# Altium PCB PCB_MAIN.PcbDoc (part 1 of 2)
Units mil, origin at the board's own origin, x right, y up, seen from the top; angles counter-clockwise.
Board outline 2354.33 x 2689.22 mil, 2 copper layers (Top Layer, Bottom Layer), stack 63.858 mil thick; 107 components, 70 nets, 334 pads, 370 vias.
Unrouted connection lines stored in the file: 1.
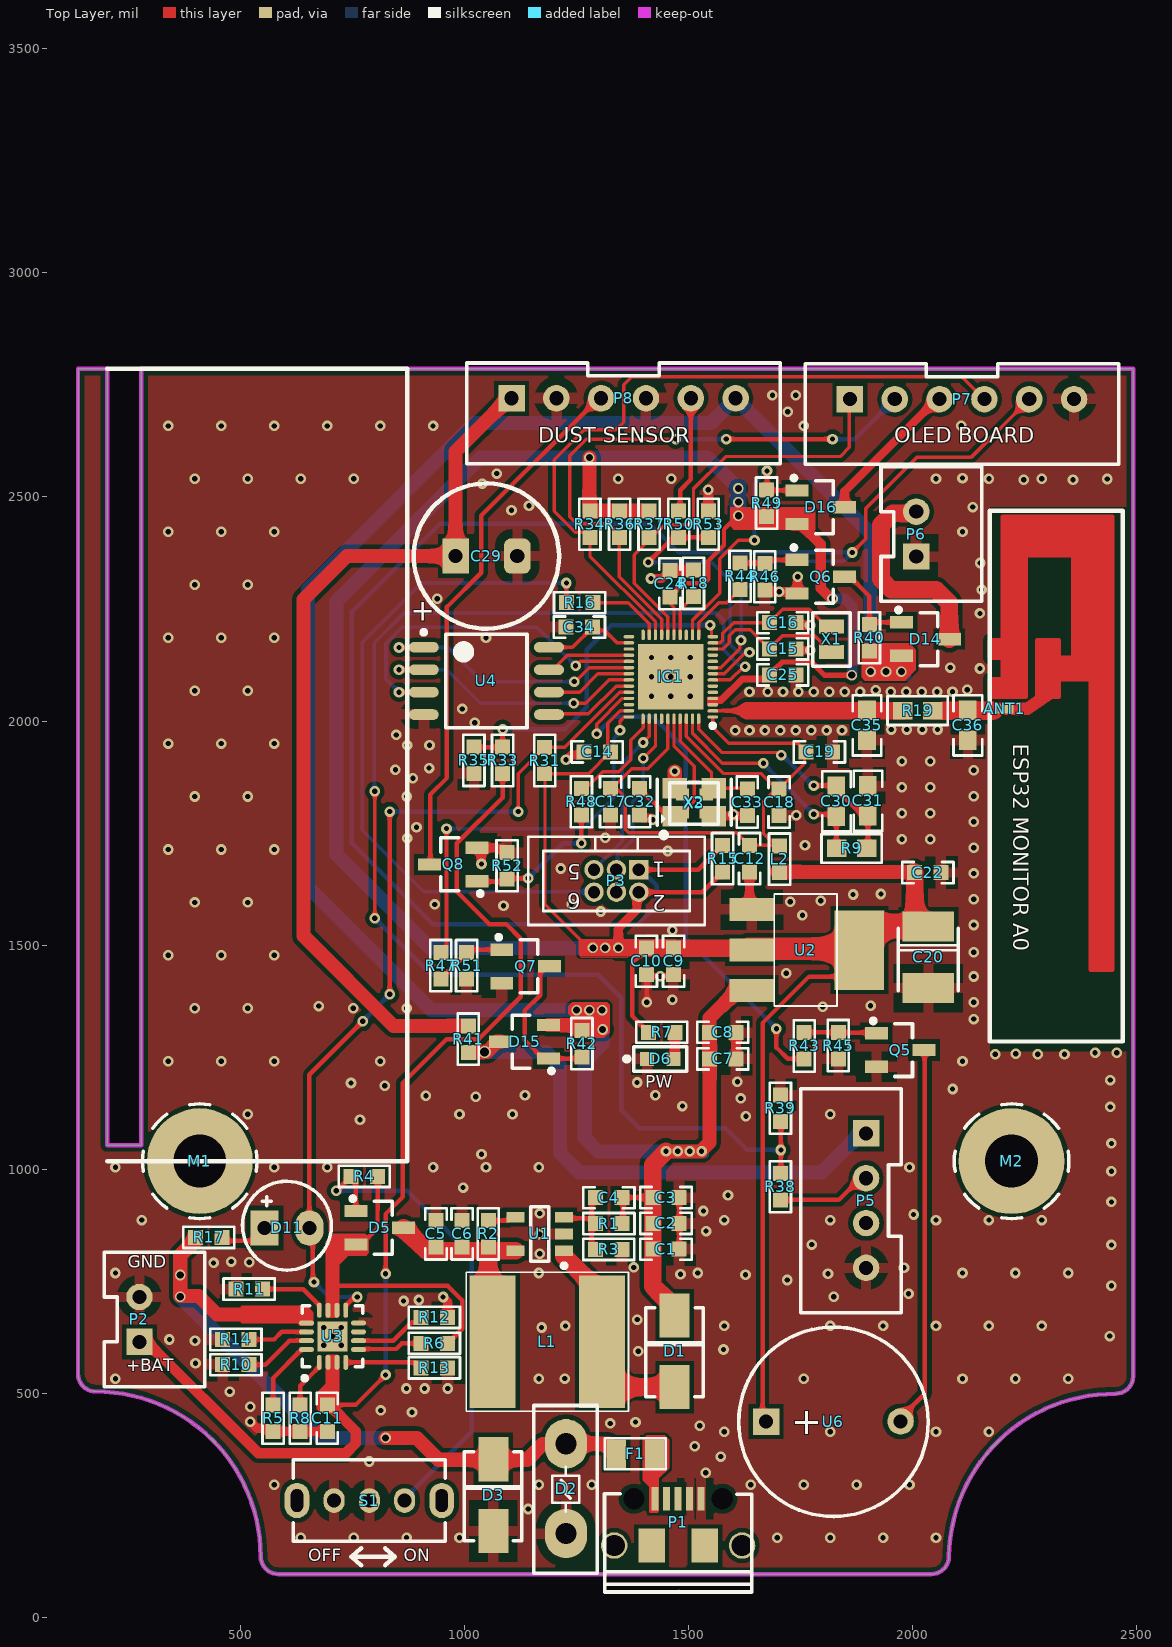
[diagram p0: Top Layer view]
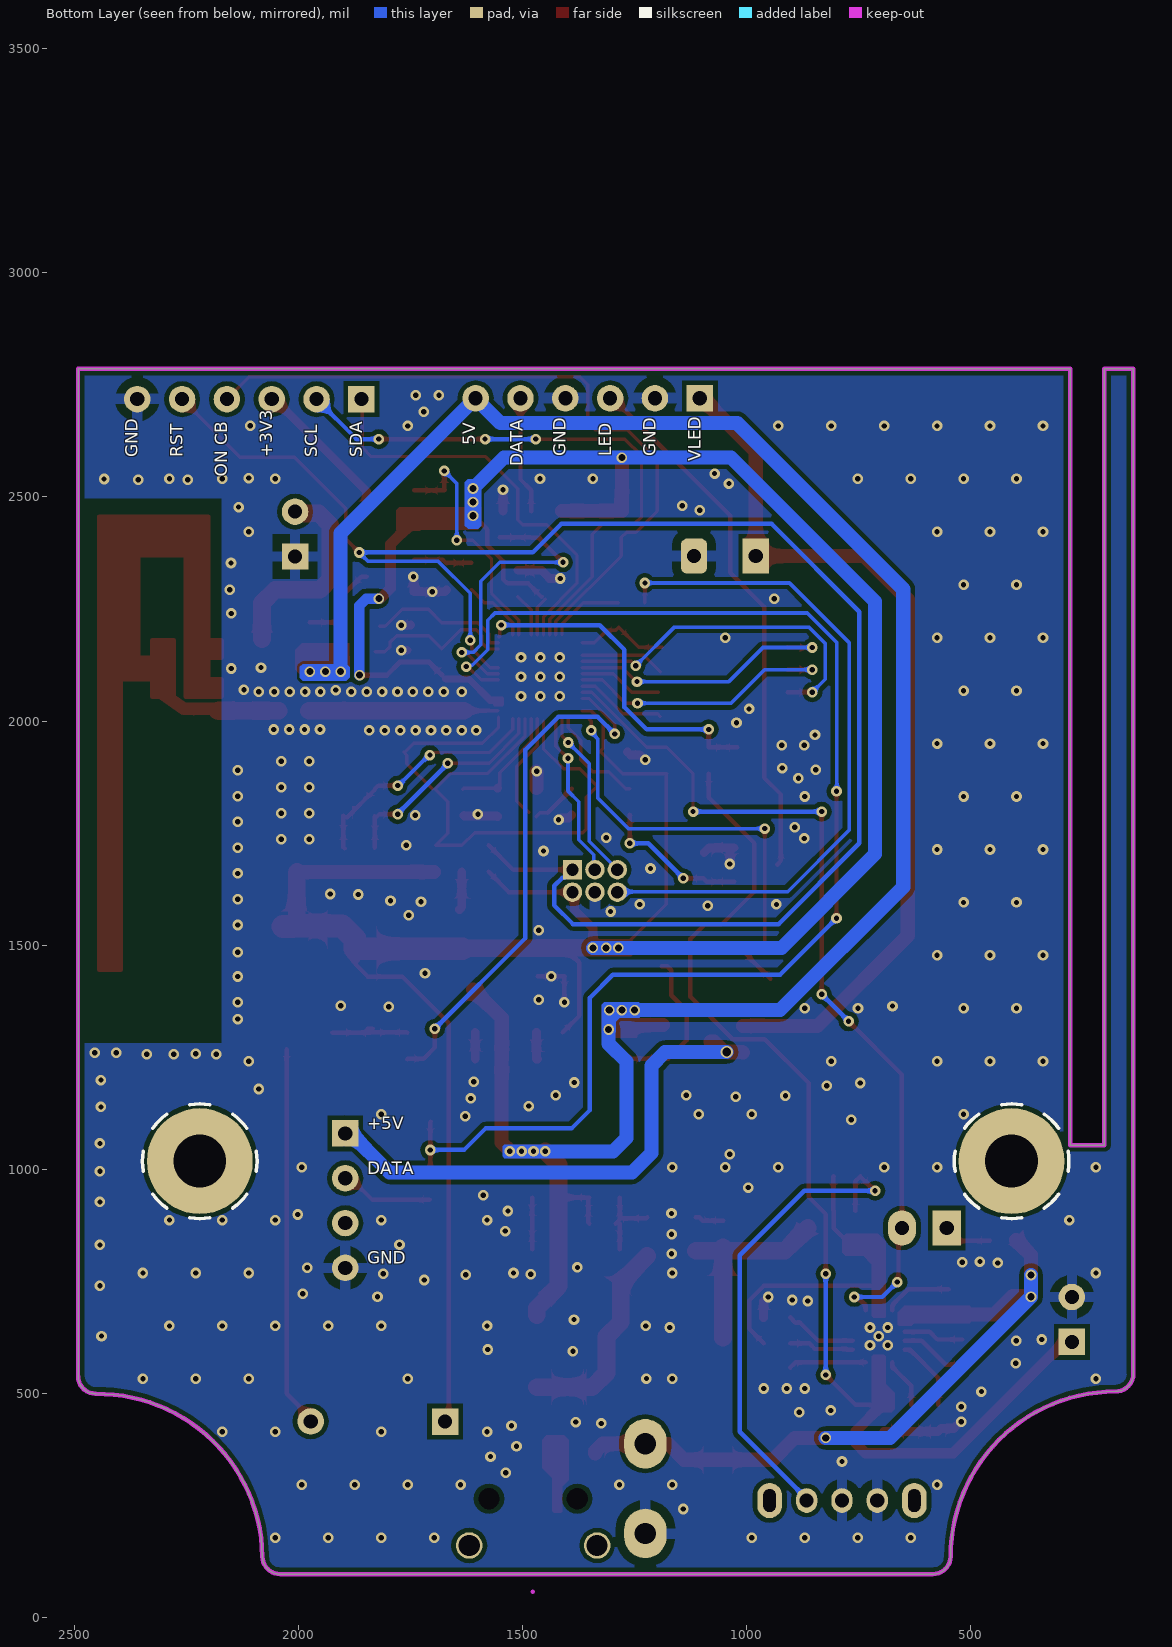
[diagram p1: Bottom Layer view, seen from below]
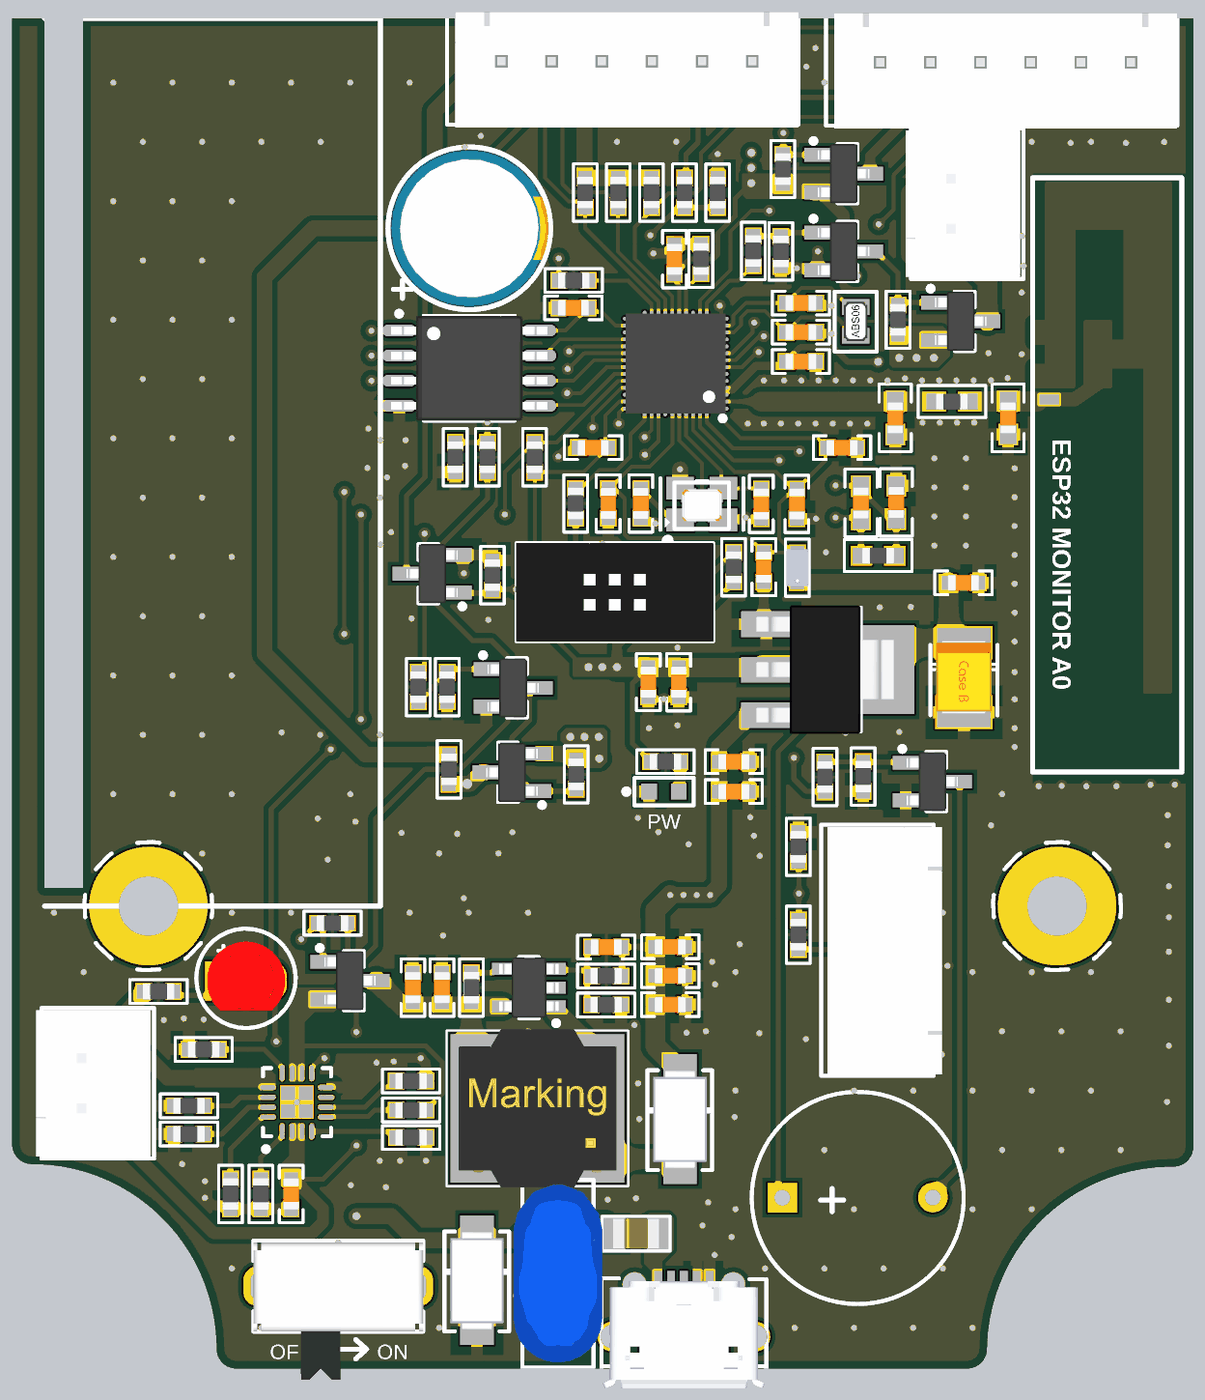
[diagram p3: 3D render of the assembled board from above, using the file's embedded part models]

## Layer stack, top to bottom
Top Solder: solder mask 0.3937, Solder Resist, Dk 3.5
Top Layer: signal copper 1.4173
Dielectric 1: dielectric 61.0236, FR-4, Dk 4.8
Bottom Layer: signal copper 1.4173
Bottom Solder: solder mask 0.3937, Solder Resist, Dk 3.5

## Board outline
137.83,543.57 137.83,2786.09 202.62,2786.09 202.62,1054 279,1054 279,2786.09 2492.17,2786.09 2492.17,538 2492,538 cw(c2452.63,538.49) 2453.12,499.12 2453.12,498.83 ccw(c2448.64,131.07) 2080.88,136.25 2080.87,136.25 cw(c2041.5,136.25) 2041.5,96.88 584.8,96.88 cw(c584.8,136.25) 545.43,136.25 545.31,136.09 ccw(c177.2,136.09) 177.2,504.2 cw(c177.2,543.57)

## Design rules (kind name [scope] priority, off if disabled: settings)
Clearance Clearance_1 [HasFootprint('DC3_6P_1.27')] p1: gap=6.69 ignorepadtopadclearanceinfootprint=FALSE except(10: Arc-Poly Track-Poly SMDPad-Poly THPad-Poly Via-Poly Fill-Poly Poly-Poly)
Clearance [All] p2: gap=6 ignorepadtopadclearanceinfootprint=FALSE except(10: Arc-Poly Track-Poly SMDPad-Poly THPad-Poly Via-Poly Fill-Poly Poly-Poly)
DiffPairsRouting [All] p1: maxlimit=10 minlimit=10 mostfreqgap=10 substack1={7F045F64-9E9C-47D7-B855-0F4E49A81AEE} toplayer_{7f045f64-9e9c-47d7-b855-0f4e49a81aee}_minwidth=15 toplayer_{7f045f64-9e9c-47d7-b855-0f4e49a81aee}_maxwidth=15 toplayer_{7f045f64-9e9c-47d7-b855-0f4e49a81aee}_prefwidth=15 bottomlayer_{7f045f64-9e9c-47d7-b855-0f4e49a81aee}_minwidth=15 bottomlayer_{7f045f64-9e9c-47d7-b855-0f4e49a81aee}_maxwidth=15 bottomlayer_{7f045f64-9e9c-47d7-b855-0f4e49a81aee}_prefwidth=15 toplayer_minwidth=15 toplayer_maxwidth=15 toplayer_prefwidth=15 bottomlayer_minwidth=15 bottomlayer_maxwidth=15 bottomlayer_prefwidth=15 maxuncoupledlength=500
HoleSize [All] p1: absolutevalues=TRUE maxlimit=196.85 minlimit=1 maxpercent=80.000 minpercent=20.000
HoleToHoleClearance [All] p1: gap=0 allowstackedmicrovias=TRUE
MinimumSolderMaskSliver [All] p1: minsoldermaskwidth=0
PolygonConnect "big hole" [(PadXSize_AllLayers>0.9)or  (PadySize_AllLayers<0.9)] p1: thpad.connectstyle=Relief thpad.reliefconductorwidth=23.62 thpad.reliefentries=4 thpad.polygonreliefangle="90 Angle" thpad.airgapwidth=19.68 smdpad.connectstyle=Relief smdpad.reliefconductorwidth=23.62 smdpad.reliefentries=4 smdpad.polygonreliefangle="90 Angle" smdpad.airgapwidth=19.68 via.connectstyle=Direct via.reliefconductorwidth=10 via.reliefentries=4 via.polygonreliefangle="90 Angle" via.airgapwidth=10
PolygonConnect [All] p2: thpad.connectstyle=Relief thpad.reliefconductorwidth=19.68 thpad.reliefentries=4 thpad.polygonreliefangle="90 Angle" thpad.airgapwidth=15.75 smdpad.connectstyle=Relief smdpad.reliefconductorwidth=19.68 smdpad.reliefentries=4 smdpad.polygonreliefangle="90 Angle" smdpad.airgapwidth=15.75 via.connectstyle=Direct via.reliefconductorwidth=10 via.reliefentries=4 via.polygonreliefangle="90 Angle" via.airgapwidth=10
RoutingVias [All] p1: holewidth=11.81 width=23.62 viastyle="Through Hole" minholewidth=11.81 minwidth=23.62 maxholewidth=11.81 maxwidth=23.62
SilkToSilkClearance [All] p1: silktosilkclearance=0
SilkToSolderMaskClearance [IsPad] p1: minsilkscreentomaskgap=0 clearancetoexposedcopper=TRUE
SolderMaskExpansion [All] p1: expansion=4
Width [All] p1: maxlimit=196.85 minlimit=3.94 preferedwidth=10
24 further rules are at their usual default settings.

## Classes and differential pairs
component class U_04: 3 ANT1 C12 C14 C15 C16 C17 C18 C19 C20 C22 C24 C25 C29 C30 C31 C32 C33 C34 C35 C36 D14 D15 D16 IC1 L2 P3 P5 P6 P7 P8 Q5 Q6 Q7 Q8 R9 R15 R16 R18 R19 R31 R33 R34 R35 R36 R37 R38 R39 R40 R41 R42 R43 R44 R45 R46 R47 R48 R49 R50 R51 R52 R53 U4 U6 X1 X2 X3
component class U_03: C1 C2 C3 C4 C5 C6 C7 C8 C9 C10 C11 D1 D2 D3 D5 D6 D11 F1 L1 M1 M2 P1 P2 R1 R2 R3 R4 R5 R6 R7 R8 R10 R11 R12 R13 R14 R17 S1 U1 U2 U3

## Components (designator, comment, footprint, x,y, rotation, side; value= is the part's Value field where it differs from the comment)
ANT1 "Value" SWRU120D 2170.98,2466.61 r270 top locked
C1 "47uF/6.3V" "CAPC-0603 (1608) - HD" 1449.6,821.62 r180 top
C2 "47uF/6.3V" "CAPC-0603 (1608) - HD" 1449.6,879.25 r180 top
C3 "106/10V" "CAPC-0603 (1608) - HD" 1449.6,936.88 r180 top
C4 "102/50V" "CAPC-0603 (1608) - HD" 1322.04,936.51 r0 top
C5 "106/10V" "CAPC-0603 (1608) - HD" 936.5,855.66 r270 top
C6 "106/10V" "CAPC-0603 (1608) - HD" 994.82,855.66 r270 top
C7 "106/10V" "CAPC-0603 (1608) - HD" 1576.32,1246.12 r180 top
C8 "104/50V" "CAPC-0603 (1608) - HD" 1576.32,1305.48 r180 top
C9 "106/10V" "CAPC-0603 (1608) - HD" 1466.53,1463.97 r90 top
C10 "104/50V" "CAPC-0603 (1608) - HD" 1405.9,1464 r90 top
C11 "106/10V" "CAPC-0603 (1608) - HD" 693.96,444.6 r90 top
C12 "47uF/6.3" "CAPC-0603 (1608) - HD" 1636,1693.03 r90 top value=47uF/6.3V
C14 "104/50V" "CAPC-0603 (1608) - HD" 1296,1931 r0 top
C15 "10p/50V" "CAPC-0603 (1608) - HD" 1710.04,2161.01 r180 top
C16 "10p/50V" "CAPC-0603 (1608) - HD" 1710.04,2219.28 r180 top
C17 "104/50V" "CAPC-0603 (1608) - HD" 1326,1820 r90 top
C18 "104/50V" "CAPC-0603 (1608) - HD" 1702,1819.04 r90 top
C19 "104/50V" "CAPC-0603 (1608) - HD" 1792,1931 r180 top
C20 "T520B227" CAP_TANTAL_1210(3528) 2035,1473 r270 top value=227/6.3V
C22 "104/50V" "CAPC-0603 (1608) - HD" 2034,1662 r180 top
C24 "104/50V" "CAPC-0603 (1608) - HD" 1458,2306.39 r270 top
C25 "104/50V" "CAPC-0603 (1608) - HD" 1710.04,2102.73 r180 top
C29 "220uF/35V" CAP_ALUM_D8_13mm 1049,2368 r0 top
C30 "3.3nF/50V" "CAPC-0603 (1608)" 1829.73,1821 r270 top
C31 "103/16V" "CAPC-0603 (1608)" 1900,1821.97 r90 top
C32 "20p/50V" "CAPC-0603 (1608) - HD" 1390.85,1820 r90 top
C33 "20p/50V" "CAPC-0603 (1608) - HD" 1631,1819 r90 top
C34 "104/50V" "CAPC-0603 (1608) - HD" 1256.47,2209.52 r0 top
C35 "NF" "CAPC-0603 (1608)" 1898,1990.54 r90 top
C36 "NF" "CAPC-0603 (1608)" 2123,1990.54 r90 top
D1 "SS34-HF" DIODE_DO214AC_SMA 1469,594 r90 top
D2 "MOV-10D390K" MOV-07D101KTR 1225.82,285.93 r90 top
D3 "SMAJ5.0A-E3/61" DIODE_DO214AC_SMA 1064.32,272.93 r90 top
D5 "AO3415" SOT23_3 811,869.45 r0 top value=20V/4A
D6 "RED" "LED 0603" 1437,1246.12 r180 top
D11 "LED BLUE" "LED_3MM-RED - duplicate" 554,869 r0 top
D14 "AO3415" SOT23_3 2028.5,2182.8 r0 top value=20V/4A
D15 "AO3415" SOT23_3 1134,1284.37 r180 top value=20V/4A
D16 "AO3415" SOT23_3 1795,2477 r0 top value=20V/4A
F1 "6V/0.5A" "FUSE 0ZCK_BEL" 1381.32,365.54 r0 top
IC1 "ESP32-D0WD-V3" ESP32-D0WD 1460.5,2098.57 r180 top
L1 "10uH/3.3A" IND-74404084150 1185,615 r0 top
L2 "23R/4A" "IND-0603 (1608) - HD" 1703,1692 r90 top
M1 "HOLE" HOLE_3MM_6MM 409.49,1017.98 r0 top
M2 "HOLE" HOLE_3MM_6MM 2220.51,1017.98 r0 top locked
P1 "Micro USB" "MK5P MICROUSB" 1476.73,160.59 r0 top
P2 "XH2.54mm" XH2.54-2P 275,690 r90 top
P3 "DC3/6P" DC3_6P_1.27 1339,1643.25 r180 top
P5 "XH2.54mm" XH2.54-4P 1899,975.53 r270 top
P6 "XH2.54mm" XH2.54-2P 2008,2442 r90 top
P7 "XH2.54mm" XH2.54-6p 2060,2718 r0 top
P8 "XH2.54mm" XH2.54-6p 1305,2720 r0 top
Q5 "2SC1815" SOT23_3 1972,1266 r0 top
Q6 "2SC1815" SOT23_3 1795,2322 r0 top
Q7 "2SC1815" SOT23_3 1136.38,1452.62 r0 top
Q8 "2SC1815" SOT23_3 975.12,1680 r180 top
R1 "100K" "RESC-0603 (1608) - HD" 1322.07,878.88 r0 top
R2 "1M" "RESC-0603 (1608) - HD" 1053.13,855.62 r270 top
R3 "33K" "RESC-0603 (1608) - HD" 1322,821.25 r180 top
R4 "100K" "RESC-0603 (1608) - HD" 776.5,984 r0 top
R5 "1K" "RESC-0603 (1608) - HD" 573.09,444.57 r270 top
R6 "10K" "RESC-0603 (1608) - HD" 933,611.61 r180 top
R7 "1K" "RESC-0603 (1608) - HD" 1440.04,1305.48 r0 top
R8 "10K" "RESC-0603 (1608) - HD" 633.53,444.57 r270 top
R9 "20K" "RESC-0603 (1608)" 1864,1716 r180 top
R10 "10K" "RESC-0603 (1608) - HD" 490.11,564 r180 top
R11 "1K2" "RESC-0603 (1608) - HD" 519.67,732.6 r0 top
R12 "100K" "RESC-0603 (1608) - HD" 933,669.5 r180 top
R13 "10K" "RESC-0603 (1608) - HD" 933.06,556.94 r180 top
R14 "47K" "RESC-0603 (1608) - HD" 490.17,620.2 r0 top
R15 "10K" "RESC-0603 (1608) - HD" 1576,1693 r270 top
R16 "0R" "RESC-0603 (1608) - HD" 1257,2264 r0 top
R17 "2K2" "RESC-0603 (1608) - HD" 429.59,848 r180 top
R18 "10K" "RESC-0603 (1608) - HD" 1510.73,2307 r90 top
R19 "NF" "RESC-0603 (1608)" 2011,2023 r0 top
R31 "100K" "RESC-0603 (1608) - HD" 1179,1911.93 r90 top
R33 "100K" "RESC-0603 (1608) - HD" 1085.22,1911.94 r270 top
R34 "10K" "RESC-0603 (1608) - HD" 1280,2439.06 r90 top
R35 "100K" "RESC-0603 (1608) - HD" 1021,1912 r90 top
R36 "10K" "RESC-0603 (1608) - HD" 1346,2439.06 r90 top
R37 "10K" "RESC-0603 (1608) - HD" 1412,2439.06 r90 top
R38 "2k" "RESC-0603 (1608) - HD" 1705,961 r270 top value=10K
R39 "3K" "RESC-0603 (1608) - HD" 1705,1136 r270 top value=10K
R40 "100K" "RESC-0603 (1608) - HD" 1903.5,2185.8 r270 top
R41 "150R" "RESC-0603 (1608) - HD" 1008.58,1290.25 r270 top
R42 "100K" "RESC-0603 (1608) - HD" 1262,1280.37 r90 top
R43 "1K" "RESC-0603 (1608) - HD" 1758,1275 r270 top
R44 "1K" "RESC-0603 (1608) - HD" 1615,2323 r270 top
R45 "10K" "RESC-0603 (1608) - HD" 1834.07,1276 r90 top
R46 "10K" "RESC-0603 (1608) - HD" 1670.01,2322 r90 top
R47 "1K" "RESC-0603 (1608) - HD" 947.23,1454.22 r90 top
R48 "1K" "RESC-0603 (1608) - HD" 1261,1820.03 r90 top
R49 "100K" "RESC-0603 (1608) - HD" 1674,2486 r270 top
R50 "10K" "RESC-0603 (1608) - HD" 1478,2439.06 r90 top
R51 "10K" "RESC-0603 (1608) - HD" 1004.81,1454.22 r90 top
R52 "10K" "RESC-0603 (1608) - HD" 1095.12,1677 r270 top
R53 "10K" "RESC-0603 (1608) - HD" 1544,2439 r270 top
S1 "SK-12D07" SK-12D07 787.79,260.96 r180 top
U1 "LMR62421" SC-74A 1168,855.62 r180 top
U2 "TLV1117LV33DCYR" SOT-223-4 1761,1489 r270 top
U3 "BQ24073RGTT" RGT16-1700X1700TP 705.62,627.36 r90 top
U4 "GD25Q64ESIG" GD25QXXE 1049,2089.45 r0 top
U6 "BUZZ" BUZZER_through_hole 1673,437 r0 top
X1 "32.768KHz" "CRYSTAL_ABS06 2x1.2mm" 1819,2182.53 r90 top
X2 "40MHz" OSC-40M-3225 1513.58,1817.8 r0 top
X3 "40MHz" "CRYSTAL-XRCGB27M120F3M10R0 (2x1.6)" 1512.84,1816.53 r0 top

## Footprints (in the part's own frame and the unit in brackets; to place one, negate y for a bottom-side part, rotate by r counter-clockwise, add the part's x,y. Pads: shape width x height; smd on the part's side, far side on the other; paste and mask are expansions set on the pad)
BUZZER_through_hole [mm]
  rect 1.5x1.5 hole 0.8: 1(0,0)
  round 1.5 hole 0.8: 2(7.62,0.013)
  silkscreen extent -1.55,-5.38 9.18,5.36, body extent -2.22,-6 9.78,6, height 4.5
CAP_ALUM_D8_13mm [mm]
  rect 1.5x2 hole 0.8: 1(-1.75,0)
  rrect50% 1.5x2 hole 0.8: 2(1.75,0)
  silkscreen extent -4.11,-4.11 4.11,4.11, body extent -4,-4 4.01,4, height 13.01
CAP_TANTAL_1210(3528) [mm] "Capacitor, Chip; 3.50 mm L X 2.80 mm W X 1.40 mm H body"
  rect 1.71x2.91 smd paste-0.1: 1(-1.75,0) 2(1.75,0)
  silkscreen extent -1.65,-1.7 1.91,1.7, body extent -1.87,-1.42 1.82,1.4, height 2.09
"CAPC-0603 (1608)" [mm] "Resistor, Chip; 1.60 mm L X 0.80 mm W X 0.50 mm H body"
  rect 1.1x1 smd paste-0.075 mask+0.1: 1(-0.85,0) 2(0.85,0)
  silkscreen extent -1.71,-0.81 1.71,0.81, body extent -0.8,-0.4 0.8,0.4, height 0.6
"CAPC-0603 (1608) - HD" [mm] "Resistor, Chip; 1.60 mm L X 0.80 mm W X 0.50 mm H body"
  rect 0.85x0.85 smd paste-0.075 mask+0.1: 1(-0.75,0) 2(0.75,0)
  silkscreen extent -1.45,-0.6 1.45,0.6, body extent -0.8,-0.4 0.8,0.4, height 0.6
"CRYSTAL-XRCGB27M120F3M10R0 (2x1.6)" [mm] "Crystal 2x1.6mm"
  rect 0.75x0.7 smd: 1(-0.675,-0.5) 2(0.675,-0.5) 3(0.675,0.5) 4(-0.675,0.5)
  silkscreen extent -1.88,-1.19 1.36,1.15, body extent -1,-0.8 1,0.8, height 0.65
"CRYSTAL_ABS06 2x1.2mm" [mm] "Crystal 2x1.2mm"
  rect 0.8x1.4 smd: 1(-0.725,0) 2(0.725,0)
  silkscreen extent -1.52,-1.07 1.5,1.07, body extent -1,-0.61 1,0.61, height 0.6
DC3_6P_1.27 [mm]
  rect 1.1x1.1 hole 0.7: 1(-1.27,-0.635)
  round 1.1 hole 0.7: 2(-1.27,0.635) 3(0,-0.635) 4(0,0.635) 5(1.27,-0.635) 6(1.27,0.635)
  silkscreen extent -5,-2.5 5,2.5, body extent -5,-2.5 5,2.5, height 4.9
DIODE_DO214AC_SMA [mm] "Diode 2214AC- SMA type"
  rect 2.5x1.7 smd: 1(-2.032,0) 2(2.032,0)
  silkscreen extent -2.59,-1.63 2.46,1.7, body extent -2.53,-1.35 2.47,1.35, height 2.25
ESP32-D0WD [mm] "PQFN, 48-Leads, Body 5.00x5.00mm, Pitch 0.35mm, Thermal Pad 3.70x3.70mm, IPC Medium Density"
  oval 0.6x0.191 smd: 1(-2.375,2.275) 2(-2.375,1.925) 3(-2.375,1.575) 4(-2.375,1.225) 5(-2.375,0.875) 6(-2.375,0.525) 7(-2.375,0.175) 8(-2.375,-0.175) 9(-2.375,-0.525) 10(-2.375,-0.875) 11(-2.375,-1.225) 12(-2.375,-1.575) 13(-2.375,-1.925) 14(-2.375,-2.275) 25(2.375,-2.275) 26(2.375,-1.925) 27(2.375,-1.575) 28(2.375,-1.225) 29(2.375,-0.875) 30(2.375,-0.525) 31(2.375,-0.175) 32(2.375,0.175) 33(2.375,0.525) 34(2.375,0.875) 35(2.375,1.225) 36(2.375,1.575) 37(2.375,1.925) 38(2.375,2.275)
  oval 0.191x0.6 smd: 15(-1.575,-2.375) 16(-1.225,-2.375) 17(-0.875,-2.375) 18(-0.525,-2.375) 19(-0.175,-2.375) 20(0.175,-2.375) 21(0.525,-2.375) 22(0.875,-2.375) 23(1.225,-2.375) 24(1.575,-2.375) 39(1.575,2.375) 40(1.225,2.375) 41(0.875,2.375) 42(0.525,2.375) 43(0.175,2.375) 44(-0.175,2.375) 45(-0.525,2.375) 46(-0.875,2.375) 47(-1.225,2.375) 48(-1.575,2.375)
  rect 3.7x3.7 smd paste-2: 49(0,0)
  silkscreen extent -2.5,2.65 -2.25,2.9, body extent -2.52,-2.52 2.52,2.52, height 0.9
"FUSE 0ZCK_BEL" [mm]
  rect 1.1x1.6 smd paste+0 mask+0: 1(-1.092,0) 2(1.092,0)
  silkscreen extent -1.73,-0.88 1.73,0.88, body extent -1.16,-0.75 1.16,0.75, height 1.81
GD25QXXE [mm] "SOIC, 8-Leads, Body 5.23x5.28mm, Pitch 1.27mm, IPC Medium Density"
  oval 1.7x0.6 smd: 1(-3.55,1.905) 2(-3.55,0.635) 3(-3.55,-0.635) 4(-3.55,-1.905) 5(3.55,-1.905) 6(3.55,-0.635) 7(3.55,0.635) 8(3.55,1.905)
  silkscreen extent -3.67,-2.65 2.3,2.88, body extent -3.95,-2.65 3.95,2.65, height 2.16
HOLE_3MM_6MM [mm]
  round 6 hole 3: 0(0,0)
  silkscreen extent -3.25,-3.25 3.25,3.25
"IND-0603 (1608) - HD" [mm] "Resistor, Chip; 1.60 mm L X 0.80 mm W X 0.50 mm H body"
  rect 0.85x0.85 smd paste-0.075 mask+0.1: 1(-0.75,0) 2(0.75,0)
  silkscreen extent -1.45,-0.6 1.45,0.6, body extent -0.92,-0.56 0.92,0.56, height 0.9
IND-74404084150 [mm] "Shielded Inductor 8x8mm"
  rect 2.6x7.5 smd: 1(-3.1,0) 2(3.1,0)
  silkscreen extent -4.6,-3.94 4.6,3.94, body extent -4,-4 4,4, height 4.2
"LED 0603" [mm]
  rect 0.8x0.8 smd: 1(-0.75,0) 2(0.75,0)
  silkscreen extent -1.5,-0.7 2.04,0.7, body extent -0.8,-0.4 0.8,0.4, height 0.75
"LED_3MM-RED - duplicate" [mm] "LED RED 3MM T/H"
  rect 1.6x2 hole 0.8: 1(0,0)
  oval 1.6x2 hole 0.8: 2(2.54,0)
  silkscreen extent -1.25,-2.39 3.78,2.65, body extent -0.72,-1.5 3.26,1.99, height 5.38
"MK5P MICROUSB" [mm]
  round 1.5 hole 1.2: 0(-3.625,0) 0(3.625,0)
  round 0.7 hole 1.2 mask+0.102: 0(-2.5,2.65) 0(2.5,2.65)
  rect 0.4x1.35 smd: 1(-1.3,2.65) 2(-0.65,2.65) 3(0,2.65) 4(0.65,2.65) 5(1.3,2.65)
  rect 1.5x1.9 smd: 10(-1.5,0) 10(1.519,0)
  silkscreen extent -4.17,-2.63 4.18,2.94, body extent -4.1,-2.63 4.1,2.8, height 2.66
MOV-07D101KTR [mm] "Varistor 30V"
  oval 2.8x2.4 hole 1.2 paste+0 mask+0: 1(-2.498,-0.019) 2(2.582,-0.019)
  silkscreen extent -4.75,-1.8 4.75,1.8, body extent -4.5,-2.25 4.5,2.25, height 11
OSC-40M-3225 [mm]
  rect 1.4x1.15 smd: 1(-1.125,-0.775) 2(1.075,-0.775) 3(1.075,0.826) 4(-1.125,0.826)
  silkscreen extent -2.13,-1.98 2.07,1.33, body extent -1.63,-1.28 1.57,1.22, height 0.81
"RESC-0603 (1608)" [mm] "Resistor, Chip; 1.60 mm L X 0.80 mm W X 0.50 mm H body"
  rect 1.1x1 smd paste-0.1 mask+0.1: 1(-0.85,0) 2(0.85,0)
  silkscreen extent -1.71,-0.81 1.71,0.81, body extent -0.8,-0.4 0.8,0.4, height 0.5
"RESC-0603 (1608) - HD" [mm] "Resistor, Chip; 1.60 mm L X 0.80 mm W X 0.50 mm H body"
  rect 0.85x0.85 smd paste-0.075 mask+0.1: 1(-0.751,0) 2(0.749,0)
  silkscreen extent -1.45,-0.6 1.45,0.6, body extent -0.8,-0.4 0.8,0.4, height 0.5
RGT16-1700X1700TP [mm] "QFN, 16-Leads, Body 3x3mm, Pitch 0.5mm, Thermal Pad 1.7x1.7mm, TI Recommended"
  oval 0.85x0.28 smd paste-0.025 mask+0.07: 1(-1.475,0.75) 2(-1.475,0.25) 3(-1.475,-0.25) 4(-1.475,-0.75) 9(1.475,-0.75) 10(1.475,-0.25) 11(1.475,0.25) 12(1.475,0.75)
  oval 0.28x0.85 smd paste-0.025 mask+0.07: 5(-0.75,-1.475) 6(-0.25,-1.475) 7(0.25,-1.475) 8(0.75,-1.475) 13(0.75,1.475) 14(0.25,1.475) 15(-0.25,1.475) 16(-0.75,1.475)
  rect 1.7x1.7 smd paste-0.85 mask+0.07: 17(0,0)
  silkscreen extent -2.5,-1.73 1.73,1.73, body extent -1.57,-1.57 1.58,1.58, height 1
SC-74A [mm] "SOT23, 5-Leads, Body 2.90x2.80mm, Pitch 0.95mm, IPC Medium Density"
  rect 1x0.6 smd: 1(-1.375,0.95) 2(-1.375,0) 3(-1.375,-0.95) 4(1.375,-0.95) 5(1.375,0.95)
  silkscreen extent -1.5,-1.55 0.5,1.92, body extent -1.5,-1.53 1.5,1.53, height 1.1
SK-12D07 [mm]
  oval 1.4x2 hole 0.7 slot 1.3 at 90 deg: 0(-4.1,0) 0(4.1,0)
  oval 1.2x1.4 hole 0.8: 1(-2,0) 2(0,0) 3(2,0)
  silkscreen extent -4.3,-2.3 4.3,2.3, body extent -4.3,-2.21 4.3,5.3, height 4.7
SOT23_3 [mm] "SOT23, 3-Leads, Body 2,90x2,30mm, Pitch 0,95mm, IPC Medium Density"
  rect 1.3x0.7 smd: 1(-1.35,0.95) 2(-1.35,-0.95) 3(1.35,0)
  silkscreen extent -1.65,-1.5 0.7,1.78, body extent -1.3,-1.5 1.3,1.5, height 1.1
SOT-223-4 [mm]
  rect 1.3x2.54 smd: 1(-2.3,-3.048) 2(0,-3.048) 3(2.3,-3.048)
  rect 4.5x2.8 smd: 4(0,3.048)
  silkscreen extent -3.18,-1.78 3.18,1.78, body extent -3.25,-3.56 3.25,3.4, height 1.68
SWRU120D [mm] "2.4-GHz Inverted F Antenna 25.7x7.5mm"
  rect 0.5x1 smd: 1(11.166,0.864)
  Top Layer region: 0.263,0.768 7.268,0.768 7.268,0.025 8.272,0.025 8.272,0.768 9.476,0.768 9.476,0.025 10.48,0.025 10.48,2.063 2.451,2.063 2.451,4.742 8.272,4.742 8.272,3.939 7.268,3.939 7.268,2.725 10.48,2.725 10.932,2.063 10.932,0.397 11.393,0.397 11.393,2.205 10.48,3.545 10.48,3.939 9.476,3.939 9.476,5.746 25.935,5.746 25.935,6.96 0.263,6.96
  Top Layer lines w0.254: 10.48,0.025 9.476,0.025 9.476,0.768 8.272,0.768 8.272,0.025 7.268,0.025 7.268,0.768 0.263,0.768 0.263,6.96 25.935,6.96 25.935,5.746 9.476,5.746 9.476,3.939 10.48,3.939 10.48,3.545 11.393,2.205 11.393,0.864 11.393,0.397 11.166,0.397 10.932,0.397 10.932,0.864 10.932,2.063 10.48,2.725 7.268,2.725 7.268,3.939 8.272,3.939 8.272,4.742 2.451,4.742 2.451,2.063 10.48,2.063 10.48,0.025
  silkscreen extent -0.05,0.03 30.01,7.57
XH2.54-2P [mm] "PITCH 2.54MM 2P 180 DEGREE"
  rect 1.5x1.5 hole 0.8: 1(-1.905,0)
  round 1.5 hole 0.8: 2(0.635,0)
  silkscreen extent -4.44,-3.7 3.18,2, body extent -4.33,-3.53 3.06,2.27, height 7
XH2.54-4P [mm]
  rect 1.5x1.5 hole 0.8: 1(-2.654,-0.076)
  round 1.5 hole 0.8: 2(-0.114,-0.076) 3(2.426,-0.076) 4(4.966,-0.076)
  silkscreen extent -5.19,-3.78 7.51,1.92, body extent -5.07,-3.46 7.43,2.34, height 7
XH2.54-6p [mm]
  rect 1.5x1.5 hole 0.8: 1(-5.08,0)
  round 1.5 hole 0.8: 2(-2.54,0) 3(0,0) 4(2.54,0) 5(5.08,0) 6(7.62,0)
  silkscreen extent -7.62,-3.7 10.16,2, body extent -7.21,-3.84 10.16,2, height 7.21

## Part data
ANT1: library part SWRU120D
C1 C2: library part GRM188R60J476ME15D, "CAP CER 47UF 6.3V X5R 0603", MFR="Murata Electronics", Category=CAPACITOR, MPN=GRM188R60J476ME15D, Solder=CAP-0603
C3 C5 C6 C11: library part CL10A106KP8NNNC, "CAP CER 10uF 10% 10V X5R 0603", MFR="Samsung Electro-Mechanics", Category=Capacitor, Conpany ID=VT00807, MPN=CL10A106KP8NNNC, Solder=SMT
C4: library part CL10B102KB8NNNC, "CAP CER 1000pF 10% 50V X7R 0603", Company ID=VT00062, MPN=CL10B102KB8NNNC, Solder=SMT
C7 C9: library part CL10A106KP8NNNC, "CAP CER 10uF 10% 10V X5R 0603", Category=CAPACITOR, CompanyID=VT-00984, MPN=CL10A106KP8NNNC, Solder=SMT
C8 C10 C14 C17 C18 C19 C22 C24 C25 C34: library part C0603C104K5RACTU, "CAP CER 0.1uF 50V 10% X7R 0603", MPN=C0603C104K5RACTU, Solder=SMT
  C8 C10: Company ID=VT00574
  C14 C17 C18 C19 C22 C24 C25 C34: Category=CAPACITOR, CompanyID=VT-00982
C12: library part GMC10X5R476M6R3NT, "CAP CER 47UF 6.3V X5R 0603", MFR="CAL-CHIP ELECTRONICS, INC.", Category=CAPACITOR, MPN=GMC10X5R476M6R3NT, PinCount=2, Solder=CAP-0603
C15 C16: library part CL10C100JB8NNND, "CAP CER 10pF 5% 50V NP0 0603", MFR="Samsung Electro-Mechanics", Category=Capacitor, Company ID=VT00076, MPN=CL10C100JB8NNND, Solder=SMT
C20: library part T520B227M006ATE035, "CAP TANT POLY 220uF 20% 6.3V 3528 35mOhm ESR", Company ID=VT00099, MPN=T520B227M006ATE035, Solder=SMT
C29: library part 860020574012, "CAP ALUM 220UF 20% 35V RADIAL", MFR="Würth Elektronik", Category=Capacitor, Digikey=732-8946-1-ND, MPN=860020574012, Solder=SMT
C30: library part C0603C333K5RACTU, "CAP CER 0.033UF 50V X7R 0603", Category=CAPACITOR, MPN=C0603C333K5RACTU, PinCount=2, Solder=SMT
C31: library part CC0603KRX7R7BB103, "CAP CER 10nF 16V 10% X7R 0603", Category=CAPACITOR, MPN=CC0603KRX7R7BB103, PinCount=2, Solder=SMT
C32 C33: library part CL10C200JB8NNNC, "CAP CER 20pF 5% 50V C0G/NP0 0603", Company ID=VT00080, MPN=CL10C200JB8NNNC, Solder=SMT
C35 C36: library part "CAPC NF 0603", "CAP SMD, Not Fill, 0603", Category=CAPACITOR, Solder="Not Fill"
D1: "DIODE SCHOTTKY 40V 3A SMA", MFR=onsemi, Company ID=VT00542, MPN=SS34-HF, Solder=DO214AC
D2: "VARISTOR 39V 500A DISC 10MM", MFR="Bourns Inc.", Category=VARISTOR, MPN=MOV-10D390K, Solder=WAVE
D3: "DIODE TVS 5VWM 9.2VC SMA", Company ID=VT00183, MPN=SMAJ5.0A-E3/61, Solder=SMT
D5 D14 D15 D16: "MOSFET P-CH 20V 4A SOT23", MFR="Alpha & Omega Semiconductor Inc.", Category=DIODE, Company ID=VT00490, MPN=AO3415, Solder=SOT23
D6: library part "LED 0603 RED", "LED 0603 RED", Category="LED Diode", Company ID=VT00361, MPN="LED 0603 RED", Solder=0603
D11: library part "LED BLUE 3MM", "LED BLUE 3MM ROUND T/H", MFR=China, MPN="LED BLUE 3MM", Solder=WAVE
F1: library part 0ZCK0050FF2E, "PTC RESET FUSE 6V 500MA 0805", Manufacturer="Bel Fuse Inc.", Category=Fuse, Company ID=VT00196, MPN=0ZCK0050FF2E, Solder=SMT
IC1: "Integrated Circuit", Manufacturer_Name="Espressif Systems", Datasheet Link=https://www.espressif.com/sites/default/files/documentation/esp32_datasheet_en.pdf, Height=0.9mm, Manufacturer_Part_Number=ESP32-D0WD-V3
L1: library part SWPA8040S100MT, "FIXED IND 10UH 3.3A 38 MOHM SMD", MFR="Shenzhen Sunlord Electronics Co., Ltd.", Category=INDUCTOR, DCR=38mOhm, MPN=SWPA8040S100MT
L2: library part FBMJ1608HM230NT, "IND-FERRITE BEAD 23 OHM  4A 0603 1LN", Company ID=VT00326, MPN=FBMJ1608HM230NT, Solder=SMT
M1 M2: library part HOLE_2_4/2_5/3_5/3_6, "HOLE 2_4/2_5/3_5/3_6", MPN=None, ClassName=MECH_HOLE, CompanyID=VT-, Solder="Not Fill"
P1: library part MK5P_DIP, "Micro USB Right Angle MK5P DIP", MFR=China, Category=CONNECTOR, LKCL=CL08132, MPN=MK5P_DIP, Solder=WAVE
P2 P6: library part XH2.54-2P, "XH2.54mmm - 2P 180 degree", MFR=China, Company ID=VT01144, MPN=XH2.54-2P
P3: library part IDE_6P, MFR=China, MPN="DC3 6P 1.27mm", Category=Connector
P5: library part XH2.54-4P, "XH2.54mmm - 4P 180 degree", MPN=XH2.54-4P
P7 P8: library part XH2.54-6p, "XH2.54mmm - 6P 180 degree", MFR=CHINA, MPN=XH2.54-6P
Q5 Q6 Q7 Q8: "TRANS NPN 50V 0.15A SOT23-3", Category=Transistor, Company ID=VT00492, MPN=2SC1815, Solder=SMT
R1 R4 R31 R33 R35 R40 R42 R49: library part RC0603FR-07100KL, "RES SMD 100K OHM 1% 1/10W 0603", MFR=Yageo, Category=Resistor, Company ID=VT00424, MPN=RC0603FR-07100KL, Solder=SMT
R2: library part CRCW06031M00FKEA, "RES SMD 1M OHM 1% 1/10W 0603", MFR="Vishay Dale", Category=Resistor, Company ID=VT00405, MPN=CRCW06031M00FKEA, Solder=SMT
R3: library part RC0603FR-0733KL, "RES SMD 33K OHM 1% 1/10W 0603", MPN=RC0603FR-0733KL, Solder=SMT
R5 R7 R43 R44 R47 R48: library part RC0603FR-071KL, "RES SMD 1 KOHM 1% 1/10W 0603", Company ID=VT00433, MPN=RC0603FR-071KL, Solder=SMT
R6 R8 R10 R13 R15 R18: library part RC0603FR-0710KL, "RES SMD 10K OHM 1% 1/10W 0603", MPN=RC0603FR-0710KL, Solder=SMT
  R6 R8 R10 R13: CompanyID=VT-00328
  R15 R18: Company ID=VT00426
R9: library part RC0603FR-0720KL, "RES SMD 20K OHM 1% 1/10W 0603", Category=RESISTOR, CompanyID=VT00429, MPN=RC0603FR-0720KL, Solder=SMT
R11: library part RC0603FR-071K2L, "RES SMD 1.2K OHM 1% 1/10W 0603", CompanyID=VT-01075, MPN=RC0603FR-071K2L, Solder=SMT
R12: library part RC0603FR-07100KL, "RES SMD 100K OHM 1% 1/10W 0603", CompanyID=VT-00332, MPN=RC0603FR-07100KL, Solder=SMT
R14: library part RC0603FR0747KL, "RES SMD 47K OHM 1% 1/10W 0603", CompanyID=VT-00322, MPN=RC0603FR0747KL, Solder=SMT
R16: library part RC0603FR-070R, "RES SMD 0 OHM 1% 1/10W 0603", Company ID=VT00423, MPN=RC0603FR-070R, Solder=SMT
R17: library part CRCW06032K20FKEA, "RES SMD 2.2K OHM 1% 1/10W 0603", Company ID=VT00406, MPN=CRCW06032K20FKEA, Solder=SMT
R19: library part "RESC NF 0603", "RES SMD, Not Fill, 0603", Category=RESISTOR, Solder="Not Fill"
R34 R36 R37 R38 R39 R45 R46 R50 R51 R52 R53: library part RC0603FR-0710KL, "RES SMD 10K OHM 1% 1/10W 0603", MFR=Yageo, Category=Resistor, Company ID=VT00426, MPN=RC0603FR-0710KL, Solder=SMT
R41: library part RC0603FR-07150RP, "RES SMD 150 OHM 1% 1/10W 0603", MFR=YAGEO, Category=RESISTOR, MPN=RC0603FR-07150RP, Solder=RES-0603
S1: "SK-12D07 Switch 5P", MFR=ChinaDaier, MPN=SK-12D07
U1: library part LMR62421XMFX/NOPB, "IC REG BST SEPIC ADJ 2.1A SOT23", MFR=TI, Category=IC, MPN=LMR62421XMFX/NOPB, Solder=SOT-753
U2: "IC REG LINEAR 3.3V 1A SOT223-4", Category=IC, Company ID=VT00286, MPN=TLV1117LV33DCYR, Solder=SMT
U3: "IC LI-ION CHARGE/PWR MGMT 16-QFN", MFR="Texas Instruments", Category=IC, Company ID=VT00206, MPN=BQ24073RGTT, Solder="16-QFN (3x3)"
U4: "IC FLASH 64MBIT 133MHZ SOIC-8", MFR=GD, Category=IC, MPN=GD25Q64ESIG, Solder=SOIC-8
U6: library part Speaker, "Loudspeaker", BAPartNumber=VT-0, MPN=CLA2021, LatestRevisionDate=17-Jul-2002, LatestRevisionNote="Re-released for DXP Platform.", PackageReference=PIN2, Published=24-Mar-1999, Publisher="Altium Limited", Solder=WAVE
X1: library part ABS06-107-32.768kHz-T, "CRYSTAL 32.7680KHZ 4pF SMD", MFR="Abracon LLC", Category=Crystal, Company ID=VT00159, MPN=ABS06-107-32.768kHz-T, Solder=SMT
X2: library part TXM40M0004322HBCEO00T, "40MHz ±10ppm 15pF 30O SMD-3225 SMD Crystal Resonators RoHS", MFR="TAE(Zhejiang Abel Elec)", Category=CRYSTAL, MPN=TXM40M0004322HBCEO00T, Solder=CRYS-3225
X3: library part XRCGB40M000F4M01R0, "CRYSTAL 40.0000MHZ 8PF SMD", MFR="Murata Electronics", Category=CRYSTAL, MPN=XRCGB40M000F4M01R0, Solder=CRYS-2016

## Free pads (board coordinates)
  round 10 on Keep-Out: 1(342.28,1017.98) 1(342.28,2789.63) 1(476.7,1017.98) 1(476.7,2789.63) 1(2153.3,1017.98) 1(2153.3,2789.63) 1(2287.72,1017.98) 1(2287.72,2789.63)
  round 144.42 on Keep-Out: 1(409.49,1017.98) 1(2220.51,1017.98)
  round 10 on Mech1: 1(1247.79,3478.61) 1(1382.21,3478.61)

## Via types
v1: diameter 23.62, hole 11.81, Top Layer to Bottom Layer, tented both sides, 350 vias
v2: diameter 23.62, hole 15.75, Top Layer to Bottom Layer, tented both sides, 19 vias
v3: diameter 27.56, hole 19.68, Top Layer to Bottom Layer, tented both sides, 1 vias

## Nets (pads, with @x,y where several pads share a name; then routed paths per layer and width w, separated by ;. In a path a pad name is that pad's centre, name@x,y a point inside that pad or via, vN(x,y) a via of type N, cw(c..) or ccw(c..) an arc to the next point about the centre after c; other vN are vias at no path point)
+3V3: C9.2 C10.2 C14.2 C20.1 C22.2 C24.2 C25.2 D16.2 IC1.3 IC1.4 IC1.19 IC1.37 L2.1 P3.2 R7.1 R15.2 R31.1 R34.2 R36.2 R37.2 R49.2 U2.2 U2.4 U6.1 | length 7468.5
  Top Layer w7.5: R31.1@1179,1882.37 1276.9,1882.37 C14.2@1325.53,1931 1328,1931 1320,1939 1320,1995.06 1347.72,2022.78 IC1.37@1366.99,2022.78 ; R31.1@1179.57,1880.44 1179.57,1590.87 1276.44,1494 v2(1286.64,1494) ; C24.2@1450,2271.44 1467.39,2254.05 IC1.19@1467.39,2192.08
  Top Layer w7.87: C25.2@1671.78,2094 C25.2@1680.51,2102.73 C25.2@1680.78,2103
  Top Layer w10: P3.2@1389,1618.24 1530.74,1618.24 R15.2@1576,1663.5 ; C10.2@1405.43,1494 C10.2@1405.9,1493.53 1374,1461.63 1374,1341.96 R7.1@1410.48,1305.48 ; C24.2@1458,2276.86 1488.14,2307 1534.64,2307 1544,2316.36 1544,2357 1579,2392 1579,2427.6 1607.91,2456.5 1609.5,2456.5 v2(1611,2458) ; U6.1@1665,455 1665,1326.18 1768.76,1429.94 1845.41,1429.94 1874,1458.54 U2.4@1874,1492
  Top Layer w11.81: C25.2@1680.78,2103 1709.26,2131.48 1774.01,2131.48 1803.27,2102.22 v2(1864,2102.22)
  Top Layer w15.75: 1558.03,2046.31 1572.53,2046.31 1620.1,2093.87 1671.65,2093.87 C25.2@1671.78,2094
  Top Layer w19.68: v2(1343.36,1494) 1343.36,1537.67 1384.48,1578.8 1384.48,1613.72 P3.2@1389,1618.24
  Top Layer w23.62: D16.2@1749.72,2439.6 1795,2394.32 1795,2296 1818,2273 v2(1821,2273)
  Top Layer w31.5: v2(1278.64,2587.64) 1278.64,2468.56 R34.2@1280,2468.56 R36.2@1346,2468.56 R37.2@1412,2468.56 ; v2@1612.5,2456.5 R49.2@1674,2456.5 1674.98,2455.52 1718.06,2455.52 1733.98,2439.6 D16.2@1741.85,2439.6 D16.2@1749.72,2439.6 ; L2.1@1697.67,1663.5 C22.2@2002.97,1663.5
  Top Layer w39.37: v2(1343.36,1494) C10.2@1405.43,1494 ; C10.2@1405.93,1493.5 C9.2@1466.53,1493.5 ; C9.2@1469.5,1493 1577,1493 U2.2@1634,1492.76 ; C22.2@2002.97,1663.5 C22.2@2004.47,1662 C20.1@2004.47,1549.97
  Top Layer w51.18: U2.2@1634,1492 1874,1492 1874,1513.37 1903.53,1542.9 C20.1@2011.54,1542.9 ; C20.1@2004.47,1549.97 C20.1@2011.54,1542.9 ; C20.1@2035,1541.9 2012.54,1541.9 C20.1@2011.54,1542.9
  Bottom Layer w23.62: v2(1821,2273) 1849,2273 1865,2257 v2@1865,2102.22
  Bottom Layer w31.5: v2(1343.36,1494) v2(1314,1494) v2(1286.64,1494) 923,1494 714,1703 714,2266.55 1035.09,2587.64 v2(1278.64,2587.64) 1541.99,2587.64 v2(1611,2518.63)
  other v2: 1611,2488.32
+3V3_LCD: D16.3 P7.3 | length 338.2
  Top Layer w19.68: D16.3@1847.95,2475 1847.95,2511.95 P7.3@2061,2725
+3V3A: C12.2 C17.2 C18.2 C19.2 IC1.1 IC1.43 IC1.46 L2.2 | length 1471.3
  Top Layer w7.5: IC1.43@1453.76,1999.16 1453.76,1938.36 1408.78,1893.38 1372.7,1893.38 1333.77,1854.45 1358.68,1829.54 1358.68,1758.66 1366.34,1751 1607.56,1751 C12.2@1636,1722.56 1694,1722.56 1667,1749.56 1667,1820.01 C18.2@1694.78,1847.79 ; IC1.46@1494.94,2005.06 1494.94,1965.69 1577.66,1882.98 1661.06,1882.98 C18.2@1695.51,1848.53 ; IC1.1@1554,2009 1554,1986 1590,1950 1743.47,1950 C19.2@1762.47,1931 ; C18.2@1702,1848.57 1758.58,1905.15 1758.58,1924.11 C19.2@1765.47,1931
+4V4: C5.2 C6.2 D5.3 L1.1 R2.2 U1.5 | length 473.2
  Top Layer w39.37: D5.3@864.15,869.45 915.39,818.22 936.5,818.22 994.82,818.22 R2.2@1053.13,818.22 ; L1.1@1053.13,623.82 R2.2@1053.13,818.22 ; R2.2@1053.13,826.13 R2.2@1053.13,818.22 ; U1.5@1113.87,818.22 R2.2@1053.13,818.22
+5V: D2.2 D3.2 F1.1 R17.2 U3.13 | length 1578
  Top Layer w31.5: R17.2@399.5,842 366,808.5 v2(366,764) 366,717 407,717 448,676 589.82,676 ; v2(824,400.55) 893.45,400.55 941.98,352.02 1140.13,352.02 1174.76,386.64 1225.64,386.64 D2.2@1226.56,387.57 1321.67,387.57 1338.32,370.92 F1.1@1338.32,365.54
  Bottom Layer w31.5: v2(366,764) v2(366,715.55) 681,400.55 v2(824,400.55)
+5V_OUT: C1.2 C2.2 C3.2 C4.2 C7.2 C8.2 D1.2 D14.2 D15.2 P8.6 R1.2 R40.2 R42.2 U2.3 | length 4821.6
  Top Layer w10: R1.2@1351.56,878.88 1353.57,880.89 1353.57,934.5 C4.2@1351.56,936.51 ; C4.2@1353.57,936.88 C3.2@1420.07,936.88 ; v1(1529.04,1040) v1@1529.04,1041.99 ; C7.2@1546.79,1246.12 C7.2@1547,1245.91
  Top Layer w31.5: D15.2@1187.15,1321.77 1250.09,1321.77 R42.2@1262,1309.87 1262.98,1310.85 1307.24,1310.85 v2(1308.26,1311.87) ; v1(1449.56,1040) v1(1476.05,1040) v1(1502.54,1040) v1(1529.04,1040) ; v1@1529.04,1041.99 1547,1059.95 C7.2@1547,1245.91 ; C7.2@1546.79,1246.12 C8.2@1546.79,1305.48 1546.79,1337.29 U2.3@1610.95,1401.45
  Top Layer w39.37: v1(1449.56,1040) 1419.7,1010.15 1419.7,996 1420.07,996.36 C3.2@1420.07,936.88 C2.2@1420.07,879.25 C1.2@1420.07,821.62 1420.07,738.69 1469,689.76 D1.2@1469,674.02
  Bottom Layer w31.5: v2(1250.29,1355) 926,1355 651,1630 651,2294 1021.43,2664.43 1549.43,2664.43 P8.6@1605,2720 1906.14,2418.86 v2(1906.14,2110) ; v2(1308.26,1311.87) 1308.26,1280.03 1268.49,1240.25 1268.49,1069.73 1298.22,1040 v1(1449.56,1040)
  other v2: 1278.64,1355 1307,1355 1940.5,2110 1974.86,2110
+5V_SS: D15.3 P5.1 R41.2 | length 1202.4
  Top Layer w31.5: R41.2@1008.58,1260.75 1009.34,1261.5 v3(1045,1261.5) 1050.11,1261.5 1072.98,1284.37 D15.3@1080.85,1284.37
  Bottom Layer w31.5: v3(1045,1261.5) 1182.5,1261.5 1213,1231 1213,1036 1256,993 1796.83,993 P5.1@1898,1094.17